# Altium PCB 朋氏集团—PCB尺.PcbDoc (part 1 of 2)
Units mm, origin at the board's own origin, x right, y up, seen from the top; angles counter-clockwise.
Board outline 210 x 30 mm, 2 copper layers (Top Layer, Bottom Layer); 50 components, 0 nets, 865 pads, 0 vias.
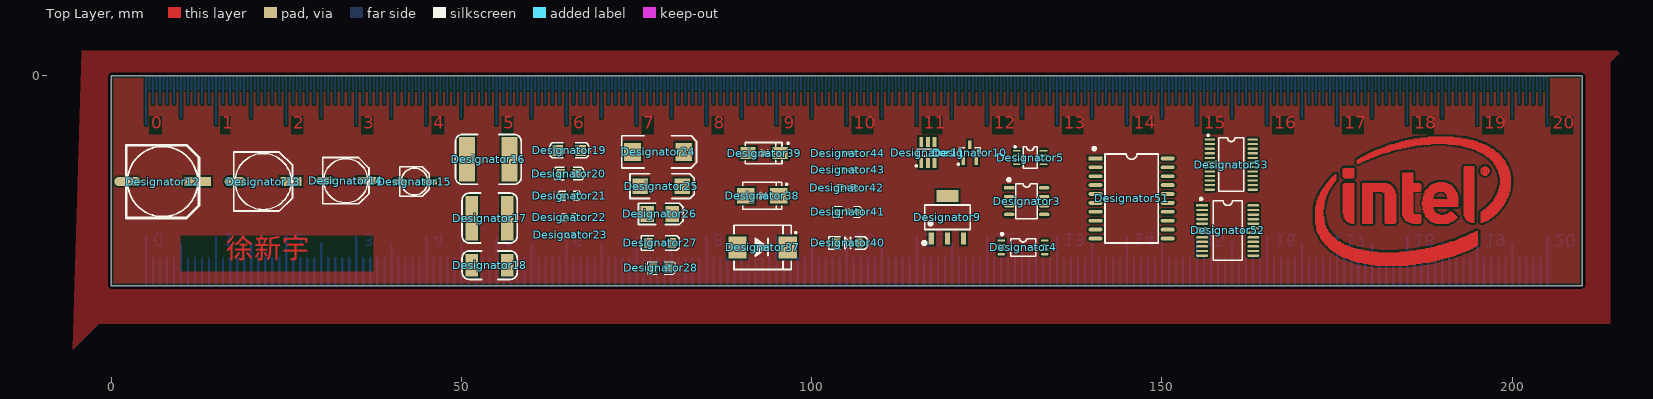
[diagram p0: Top Layer view]
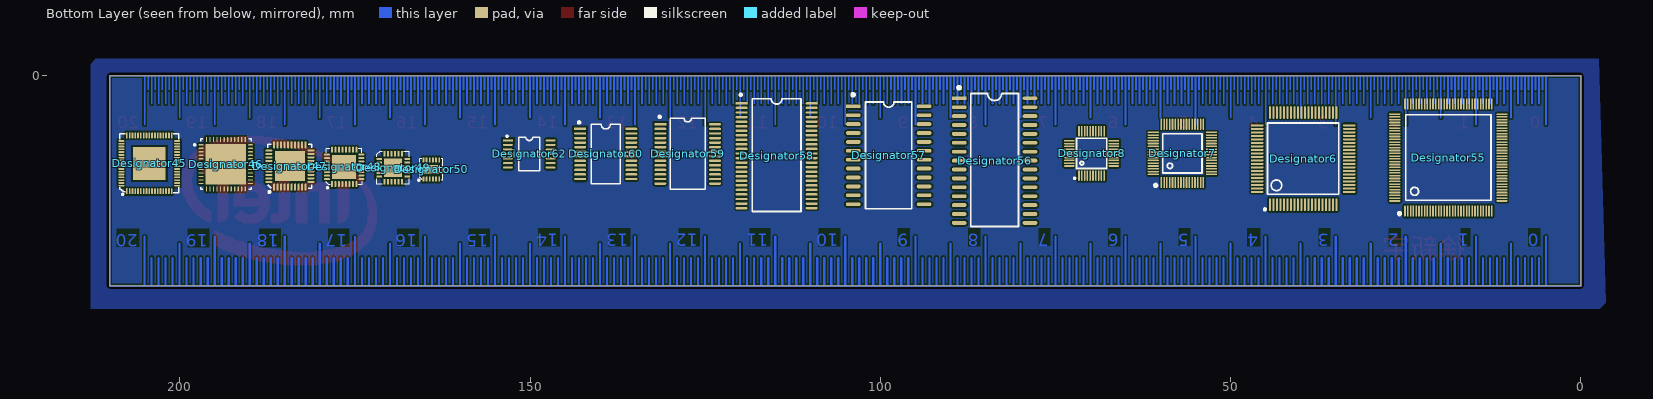
[diagram p1: Bottom Layer view, seen from below]

## Layer stack, top to bottom
Top Solder: solder mask 0.0102, Solder Resist, Dk 3.5
Top Layer: signal copper 0.0356
Dielectric 1: dielectric 0.32, FR-4, Dk 4.8
Bottom Layer: signal copper 0.0356
Bottom Solder: solder mask 0.0102, Solder Resist, Dk 3.5

## Board outline
0,-30 210,-30 210,0 0,0

## Design rules (kind name [scope] priority, off if disabled: settings)
Clearance [All] p1: gap=0.254 ignorepadtopadclearanceinfootprint=FALSE except(0: Arc-Hole Track-Hole SMDPad-Hole THPad-Hole Via-Hole Fill-Hole Poly-Hole Region-Hole Text-Hole)
PolygonConnect [All] p1: connectstyle=Relief reliefconductorwidth=0.254 reliefentries=4 polygonreliefangle="90 Angle" airgapwidth=0.254
RoutingVias [All] p1: holewidth=0.711 width=1.27 viastyle="Through Hole" minholewidth=0.711 minwidth=1.27 maxholewidth=0.711 maxwidth=1.27
SolderMaskExpansion [All] p1: expansion=0.102
Width [All] p1: maxlimit=0.254 minlimit=0.254 preferedwidth=0.254
30 further rules are at their usual default settings.

## Components (designator, comment, footprint, x,y, rotation, side; value= is the part's Value field where it differs from the comment)
Designator3 "Comment" SOP8_L 130.683,-17.907 r0 top
Designator4 "Comment" SSOP8_L 130.175,-24.511 r0 top
Designator5 "Comment" TSSOP8_L 131.191,-11.684 r0 top
Designator6 "Comment" "TQPF80 12x12_N" 46.177,-16.59 r180 bottom
Designator7 "Comment" "TQFP64 7x7_N" 56.896,-11.09 r180 bottom
Designator8 "Comment" "TQFP40 5x5_N" 69.85,-11.09 r180 bottom
Designator9 "Comment" SOT223_L 119.38,-20.193 r0 top
Designator10 "Comment" SOT23-3N 122.555,-10.978 r0 top
Designator11 "Comment" SOT23-6M 116.586,-10.978 r0 top
Designator12 "Comment" "CM F(10*10.2)" 7.366,-15.113 r0 top
Designator13 "Comment" "CM E(8*6.2)" 21.717,-15.113 r0 top
Designator14 "Comment" "CM D(6.3*7.7)" 33.516,-14.986 r0 top
Designator15 "Comment" "CM B(4*5.4)" 43.307,-15.113 r0 top
Designator16 "Comment" "C 2225" 53.848,-11.938 r0 top
Designator17 "Comment" "C 1825" 54.039,-20.32 r0 top
Designator18 "Comment" "C 1812" 54.039,-27.051 r0 top
Designator19 "Comment" "C 1206" 65.405,-10.668 r0 top
Designator20 "Comment" "C 0805" 65.328,-13.97 r0 top
Designator21 "Comment" "C 0603" 65.405,-17.145 r0 top
Designator22 "Comment" "C 0402" 65.405,-20.193 r0 top
Designator23 "Comment" "C 0201" 65.532,-22.733 r0 top
Designator24 "Comment" "CD D(7343)" 78.087,-10.875 r180 top
Designator25 "Comment" "CD C(6032)" 78.531,-15.767 r180 top
Designator26 "Comment" "CD B(3528)" 78.322,-19.723 r180 top
Designator27 "Comment" "CD A(3216)" 78.359,-23.876 r180 top
Designator28 "Comment" "CD S(2012)" 78.486,-27.432 r180 top
Designator37 "Comment" SMC 92.999,-24.511 r0 top
Designator38 "Comment" SMB 92.964,-17.145 r0 top
Designator39 "Comment" SMA 93.218,-11.049 r0 top
Designator40 "Comment" SOD-123 105.156,-23.876 r0 top
Designator41 "Comment" SOD-323 105.156,-19.431 r0 top
Designator42 "Comment" SOD-523 105.029,-16.002 r0 top
Designator43 "Comment" SOD-723 105.156,-13.462 r0 top
Designator44 "Comment" SOD-923 105.156,-11.049 r0 top
Designator45 "Comment" "QFN68 8x8_N" 204.343,-12.509 r180 bottom
Designator46 "Comment" QFN48_7*7N 193.421,-12.636 r180 bottom
Designator47 "Comment" "QFN40 6X6_N" 184.277,-12.906 r180 bottom
Designator48 "Comment" "QFN32 5x5_N" 176.53,-13.017 r180 bottom
Designator49 "Comment" QFN24 169.545,-13.156 r180 bottom
Designator50 "Comment" "QFN12 3x3_N" 164.084,-13.386 r180 bottom
Designator51 "Comment" SOP20_N 145.669,-17.526 r0 top
Designator52 "Comment" SSOP24_N 159.385,-22.098 r0 top
Designator53 "Comment" TSSOP24_N 159.893,-12.7 r0 top
Designator55 "Comment" "TQFP128 14x14_N" 18.923,-11.684 r180 bottom
Designator56 "Comment" SOP30-N 83.693,-12.121 r180 bottom
Designator57 "Comment" SOP24_N 98.806,-11.359 r180 bottom
Designator58 "Comment" SSOP48_N 114.808,-11.43 r180 bottom
Designator59 "Comment" SSOP28_N 127.499,-11.176 r180 bottom
Designator60 "Comment" SSOP24_N 139.192,-11.176 r180 bottom
Designator62 "Comment" TSSOP14_N 150.112,-11.176 r180 bottom

## Footprints (in the part's own frame and the unit in brackets; to place one, negate y for a bottom-side part, rotate by r counter-clockwise, add the part's x,y. Pads: shape width x height; smd on the part's side, far side on the other; paste and mask are expansions set on the pad)
"C 0201" [mm] "无极性贴片电容"
  rect 0.3x0.3 smd: 1(-0.3,0) 2(0.3,0)
  silkscreen extent -0.69,-0.35 0.69,0.35, body extent -0.3,-0.16 0.3,0.16, height 0.31
"C 0402" [mil] "无极性贴片电容"
  rect 25x20 smd: 1(-23,0.16) 2(23,0.16)
  silkscreen extent -48,-20 48,20, body extent -20,-10 20,10, height 20
"C 0603" [mil] "无极性贴片电容"
  rect 35x30 smd: 1(-35,0) 2(34,0)
  silkscreen extent -67,-26 67,26, body extent -31,-16 31,16, height 32
"C 0805" [mil] "无极性贴片电容"
  rect 50x50 smd: 1(-45,0) 2(45,0)
  silkscreen extent -89,-36 89,36, body extent -39,-24 39,24, height 20
"C 1206" [mil] "无极性贴片电容"
  rect 60x60 smd: 1(-65,0) 2(65,0)
  silkscreen extent -115,-42 115,42, body extent -63,-32 63,32, height 48
"C 1812" [mil] "无极性贴片电容"
  rect 70x125 smd: 1(-100,0) 2(100,0)
  silkscreen extent -155,-80 155,80, body extent -91,-63 91,63, height 79
"C 1825" [mil] "无极性贴片电容"
  rect 70x250 smd: 1(-100,0) 2(100,0)
  silkscreen extent -155,-140 155,140, body extent -89,-125 89,125, height 63
"C 2225" [mil] "无极性贴片电容"
  rect 90x250 smd: 1(-120,0) 2(120,0)
  silkscreen extent -185,-140 185,140, body extent -110,-125 110,125, height 63
"CD A(3216)" [mm] "长3.2mm，宽1.6mm，厚1.6mm"
  rect 1.2x1.4 smd: 1(-1.7,0) 2(1.7,0)
  silkscreen extent -2.74,-1.02 2.67,1.02, body extent -1.6,-0.8 1.6,0.8, height 1.6
"CD B(3528)" [mil] "长3.5mm，宽2.8mm，厚1.9mm"
  rect 75x90 smd: 1(-70.87,-0.01) 2(70.86,-0.01)
  silkscreen extent -130,-60 120,60, body extent -69,-55 69,55, height 75
"CD C(6032)" [mm] "长6.0mm，宽3.2mm，厚2.5mm"
  rect 2.2x2.2 smd: 1(-3,0) 2(3,0)
  silkscreen extent -4.7,-1.78 4.44,1.78, body extent -3,-1.6 3,1.6, height 2.5
"CD D(7343)" [mm] "长7.3mm，宽4.3mm，厚2.8mm"
  rect 2.4x2.6 smd: 1(-3.65,0) 2(3.65,0)
  silkscreen extent -5.46,-2.29 5.21,2.29, body extent -3.65,-2.15 3.65,2.15, height 2.8
"CD S(2012)" [mm] "长2.0mm，宽1.25mm，厚1.2mm"
  rect 1.1x1.3 smd: 1(-1.1,0) 2(1.1,0)
  silkscreen extent -2.03,-0.89 1.91,0.89, body extent -1,-0.6 1,0.6, height 1.2
"CM B(4*5.4)" [mm] "贴片电解电容，直径4mm，高5.4mm"
  rect 2.1x0.8 smd: 1(2.15,0)
  oval 2.1x0.8 smd: 2(-2.15,0)
  silkscreen extent -2.1,-2.1 2.1,2.1, body extent -2.3,-2.12 2.3,2.18, height 5.4
"CM D(6.3*7.7)" [mm] "贴片电解电容，直径6.3mm，高7.7mm"
  rect 2.7x1 smd: 1(3,0)
  oval 2.7x1 smd: 2(-3,0)
  silkscreen extent -3.3,-3.3 3.3,3.3, body extent -3.5,-3.3 3.5,3.3, height 7.7
"CM E(8*6.2)" [mm] "贴片电解电容，直径8mm，高6.2mm"
  rect 3x1.3 smd: 1(4,0)
  oval 3x1.3 smd: 2(-4,0)
  silkscreen extent -4.2,-4.2 4.2,4.2, body extent -4.5,-4.15 4.5,4.15, height 6.2
"CM F(10*10.2)" [mm] "贴片电解电容，直径10mm，高10.2mm"
  rect 3.8x1.3 smd: 1(5,0)
  oval 3.8x1.3 smd: 2(-5,0)
  silkscreen extent -5.2,-5.2 5.2,5.2, body extent -5.8,-5.15 5.8,5.15, height 10.2
"QFN12 3x3_N" [mm] "12脚，长：3mm，宽：3mm，高：0.6mm"
  rect 0.275x0.75 smd: 1(-1.125,-1.362)
  oval 0.275x0.75 smd: 2(-0.675,-1.362) 3(-0.225,-1.362) 4(0.225,-1.362) 5(0.675,-1.362) 6(1.125,-1.362) 7(1.125,1.362) 8(0.675,1.362) 9(0.225,1.362) 10(-0.225,1.362) 11(-0.675,1.362) 12(-1.125,1.362)
  rect 2.12x1.3 smd: 13(0,0)
  silkscreen extent -1.9,-1.65 1.65,1.52, body extent -1.5,-1.5 1.5,1.5, height 0.63
QFN24 [mm]
  rect 0.8x0.3 smd: 1(-2,1.25) 2(-2,0.75) 3(-2,0.25) 4(-2,-0.25) 5(-2,-0.75) 6(-2,-1.25) 13(2,-1.25) 14(2,-0.75) 15(2,-0.25) 16(2,0.25) 17(2,0.75) 18(2,1.25)
  rect 0.3x0.8 smd: 7(-1.25,-2) 8(-0.75,-2) 9(-0.25,-2) 10(0.25,-2) 11(0.75,-2) 12(1.25,-2) 19(1.25,2) 20(0.75,2) 21(0.25,2) 22(-0.25,2) 23(-0.75,2) 24(-1.25,2)
  rect 2.6x2.6 smd: 25(0.005,0)
  silkscreen extent -2.32,-2.32 2.32,2.32, body extent -2,-2 2.01,2, height 0.9
"QFN32 5x5_N" [mm] "32脚，长：5mm，宽：5mm，高：9.5mm"
  rect 0.275x0.85 smd: 1(-1.751,-2.451)
  oval 0.275x0.85 smd: 2(-1.25,-2.451) 3(-0.75,-2.451) 4(-0.25,-2.451) 5(0.25,-2.451) 6(0.75,-2.451) 7(1.25,-2.451) 8(1.75,-2.451) 17(1.75,2.451) 18(1.25,2.451) 19(0.75,2.451) 20(0.25,2.451) 21(-0.25,2.451) 22(-0.75,2.451) 23(-1.25,2.451) 24(-1.75,2.451)
  oval 0.85x0.275 smd: 9(2.451,-1.75) 10(2.451,-1.25) 11(2.451,-0.75) 12(2.451,-0.25) 13(2.451,0.25) 14(2.451,0.75) 15(2.451,1.25) 16(2.451,1.75) 25(-2.451,1.75) 26(-2.451,1.25) 27(-2.451,0.75) 28(-2.451,0.25) 29(-2.451,-0.25) 30(-2.451,-0.75) 31(-2.451,-1.25) 32(-2.451,-1.75)
  rect 3.4x3.4 smd: 33(0,0)
  silkscreen extent -2.55,-3.12 2.55,2.57, body extent -2.5,-2.5 2.5,2.5, height 0.93
"QFN40 6X6_N" [mm] "40脚，体宽：6x6mm，脚距：0.5mm"
  oval 0.3x1 smd mask+0.051: 1(-2.25,-3) 2(-1.75,-3) 3(-1.25,-3) 4(-0.75,-3) 5(-0.25,-3) 6(0.25,-3) 7(0.75,-3) 8(1.25,-3) 9(1.75,-3) 10(2.25,-3) 21(2.25,3.025) 22(1.75,3.025) 23(1.25,3.025) 24(0.75,3.025) 25(0.25,3.025) 26(-0.25,3.025) 27(-0.75,3.025) 28(-1.25,3.025) 29(-1.75,3.025) 30(-2.25,3.025)
  oval 1x0.3 smd mask+0.051: 11(3,-2.25) 12(3,-1.75) 13(3,-1.25) 14(3,-0.75) 15(3,-0.25) 16(3,0.25) 17(3,0.75) 18(3,1.25) 19(3,1.75) 20(3,2.25) 31(-3,2.25) 32(-3,1.75) 33(-3,1.25) 34(-3,0.75) 35(-3,0.25) 36(-3,-0.25) 37(-3,-0.75) 38(-3,-1.25) 39(-3,-1.75) 40(-3,-2.25)
  rect 4.3x4.3 smd mask+0.051: 41(0,0)
  silkscreen extent -3.15,-3.83 3.15,3.15, body extent -3.01,-3.01 3.01,3.01, height 0.95
QFN48_7*7N [mm] "QFN, 48-Leads, Body 7x7mm, Pitch 0.5mm, IPC Medium Density"
  oval 0.75x0.2 smd: 1(-3.525,2.75) 2(-3.525,2.25) 3(-3.525,1.75) 4(-3.525,1.25) 5(-3.525,0.75) 6(-3.525,0.25) 7(-3.525,-0.25) 8(-3.525,-0.75) 9(-3.525,-1.25) 10(-3.525,-1.75) 11(-3.525,-2.25) 12(-3.525,-2.75) 25(3.525,-2.75) 26(3.525,-2.25) 27(3.525,-1.75) 28(3.525,-1.25) 29(3.525,-0.75) 30(3.525,-0.25) 31(3.525,0.25) 32(3.525,0.75) 33(3.525,1.25) 34(3.525,1.75) 35(3.525,2.25) 36(3.525,2.75)
  oval 0.2x0.75 smd: 13(-2.75,-3.525) 14(-2.25,-3.525) 15(-1.75,-3.525) 16(-1.25,-3.525) 17(-0.75,-3.525) 18(-0.25,-3.525) 19(0.25,-3.525) 20(0.75,-3.525) 21(1.25,-3.525) 22(1.75,-3.525) 23(2.25,-3.525) 24(2.75,-3.525) 37(2.75,3.525) 38(2.25,3.525) 39(1.75,3.525) 40(1.25,3.525) 41(0.75,3.525) 42(0.25,3.525) 43(-0.25,3.525) 44(-0.75,3.525) 45(-1.25,3.525) 46(-1.75,3.525) 47(-2.25,3.525) 48(-2.75,3.525)
  rect 5.8x5.8 smd: 49(0,0)
  silkscreen extent -4.57,-3.6 3.6,3.6, body extent -3.51,-3.51 3.51,3.51, height 0.78
"QFN68 8x8_N" [mm] "68脚，长：8mm，宽：8mm，高：8.5mm"
  rect 0.25x0.85 smd: 1(-3.2,-3.981)
  oval 0.25x0.85 smd: 2(-2.8,-3.981) 3(-2.4,-3.981) 4(-2,-3.981) 5(-1.6,-3.981) 6(-1.2,-3.981) 7(-0.8,-3.981) 8(-0.4,-3.981) 9(0,-3.981) 10(0.4,-3.981) 11(0.8,-3.981) 12(1.2,-3.981) 13(1.6,-3.981) 14(2,-3.981) 15(2.4,-3.981) 16(2.8,-3.981) 17(3.2,-3.981) 35(3.2,3.981) 36(2.8,3.981) 37(2.4,3.981) 38(2,3.981) 39(1.6,3.981) 40(1.2,3.981) 41(0.8,3.981) 42(0.4,3.981) 43(0,3.981) 44(-0.4,3.981) 45(-0.8,3.981) 46(-1.2,3.981) 47(-1.6,3.981) 48(-2,3.981) 49(-2.4,3.981) 50(-2.8,3.981) 51(-3.2,3.981)
  oval 0.85x0.25 smd: 18(3.981,-3.2) 19(3.981,-2.8) 20(3.981,-2.4) 21(3.981,-2) 22(3.981,-1.6) 23(3.981,-1.2) 24(3.981,-0.8) 25(3.981,-0.4) 26(3.981,0) 27(3.981,0.4) 28(3.981,0.8) 29(3.981,1.2) 30(3.981,1.6) 31(3.981,2) 32(3.981,2.4) 33(3.981,2.8) 34(3.981,3.2) 52(-3.981,3.2) 53(-3.981,2.8) 54(-3.981,2.4) 55(-3.981,2) 56(-3.981,1.6) 57(-3.981,1.2) 58(-3.981,0.8) 59(-3.981,0.4) 60(-3.981,0) 61(-3.981,-0.4) 62(-3.981,-0.8) 63(-3.981,-1.2) 64(-3.981,-1.6) 65(-3.981,-2) 66(-3.981,-2.4) 67(-3.981,-2.8) 68(-3.981,-3.2)
  rect 4.7x4.7 smd: 69(0,0)
  silkscreen extent -4.19,-4.57 4.19,4.19, body extent -4,-4 4,4, height 0.88
SMA [mm] "4.5x2.6*2.2mm（长宽高，不包括引?"
  rect 2.2x1.75 smd: 1(-2.3,0) 2(2.3,0)
  silkscreen extent -2.7,-1.52 3.56,1.52, body extent -2.53,-1.3 2.58,1.3, height 2.15
SMB [mm] "4.7*3.9*2.2mm(长宽高，不包括引脚?"
  rect 2.5x2.2 smd: 1(-2.35,0) 2(2.35,0)
  silkscreen extent -2.8,-1.9 3.58,1.9, body extent -2.63,-1.8 2.67,1.8, height 2.35
SMC [mm] "7.1x5.9*2.3mm（长宽高，不包括引?"
  rect 2.6x3.15 smd: 1(-3.6,0) 2(3.6,0)
  silkscreen extent -4.1,-3.15 4.88,3.15, body extent -3.95,-2.9 3.95,2.9, height 2.45
SOD-123 [mil] "2.7x1.6X1.1mm（长宽高，不包括引?"
  rect 55x50 smd: 1(-67.5,0)
  oct 55x50 smd: 2(67.5,0)
  silkscreen extent -108,-35 112,35, body extent -73,-31 73,31, height 48
SOD-323 [mm] "1.8x1.3X0.9mm（长宽高，不包括引?"
  rect 1x0.8 smd: 1(-1.4,0)
  oct 1x0.8 smd: 2(1.4,0)
  silkscreen extent -2.11,-0.76 2.11,0.76, body extent -1.34,-0.63 1.31,0.67, height 1
SOD-523 [mm] "1.2x0.8X0.6mm（长宽高，不包括引?"
  rect 0.8x0.7 smd: 1(-0.85,0)
  oct 0.8x0.7 smd: 2(0.85,0)
  silkscreen extent -1.4,-0.51 1.45,0.51, body extent -0.8,-0.4 0.8,0.4, height 0.65
SOD-723 [mm] "1x0.6X0.5mm（长宽高，不包括引?"
  rect 0.6x0.5 smd: 1(-0.7,0)
  oct 0.6x0.5 smd: 2(0.7,0)
  silkscreen extent -1.17,-0.41 1.17,0.41, body extent -0.7,-0.3 0.7,0.3, height 0.53
SOD-923 [mm] "0.8x0.6X0.4mm（长宽高，不包括引?"
  rect 0.5x0.4 smd: 1(-0.6,0)
  oct 0.5x0.4 smd: 2(0.6,0)
  silkscreen extent -1.02,-0.36 1.02,0.36, body extent -0.5,-0.3 0.5,0.3, height 0.43
SOP8_L [mm] "5*6*1.8mm（长宽高）"
  rect 1.5x0.5 smd: 1(-2.5,1.905)
  oval 1.5x0.5 smd: 2(-2.5,0.635) 3(-2.5,-0.635) 4(-2.5,-1.905) 5(2.5,-1.905) 6(2.5,-0.635) 7(2.5,0.635) 8(2.5,1.905)
  silkscreen extent -2.69,-2.5 1.52,3.2, body extent -3,-2.5 3,2.5, height 1.9
SOP20_N [mm] "13*10.6*2.6（长宽高）"
  rect 2x0.55 smd: 1(-5.15,5.715)
  oval 2x0.55 smd: 2(-5.15,4.445) 3(-5.15,3.175) 4(-5.15,1.905) 5(-5.15,0.635) 6(-5.15,-0.635) 7(-5.15,-1.905) 8(-5.15,-3.175) 9(-5.15,-4.445) 10(-5.15,-5.715) 11(5.15,-5.715) 12(5.15,-4.445) 13(5.15,-3.175) 14(5.15,-1.905) 15(5.15,-0.635) 16(5.15,0.635) 17(5.15,1.905) 18(5.15,3.175) 19(5.15,4.445) 20(5.15,5.715)
  silkscreen extent -5.49,-6.35 3.81,7.27, body extent -5.15,-6.35 5.15,6.35, height 2.7
SOP24_N [mm] "15.4*10.6*2.6mm（长宽高）"
  rect 2.1x0.55 smd: 1(-5.05,6.985)
  oval 2.1x0.55 smd: 2(-5.05,5.715) 3(-5.05,4.445) 4(-5.05,3.175) 5(-5.05,1.905) 6(-5.05,0.635) 7(-5.05,-0.635) 8(-5.05,-1.905) 9(-5.05,-3.175) 10(-5.05,-4.445) 11(-5.05,-5.715) 12(-5.05,-6.985) 13(5.05,-6.985) 14(5.05,-5.715) 15(5.05,-4.445) 16(5.05,-3.175) 17(5.05,-1.905) 18(5.05,-0.635) 19(5.05,0.635) 20(5.05,1.905) 21(5.05,3.175) 22(5.05,4.445) 23(5.05,5.715) 24(5.05,6.985)
  silkscreen extent -5.23,-7.62 3.3,8.79, body extent -5.15,-7.7 5.15,7.7, height 2.7
SOP30-N [mm] "19*10.3*2.6mm（长宽高）"
  rect 2.1x0.55 smd: 1(-5.05,8.89)
  oval 2.1x0.55 smd: 2(-5.05,7.62) 3(-5.05,6.35) 4(-5.05,5.08) 5(-5.05,3.81) 6(-5.05,2.54) 7(-5.05,1.27) 8(-5.05,0) 9(-5.05,-1.27) 10(-5.05,-2.54) 11(-5.05,-3.81) 12(-5.05,-5.08) 13(-5.05,-6.35) 14(-5.05,-7.62) 15(-5.05,-8.89) 16(5.05,-8.89) 17(5.05,-7.62) 18(5.05,-6.35) 19(5.05,-5.08) 20(5.05,-3.81) 21(5.05,-2.54) 22(5.05,-1.27) 23(5.05,0) 24(5.05,1.27) 25(5.05,2.54) 26(5.05,3.81) 27(5.05,5.08) 28(5.05,6.35) 29(5.05,7.62) 30(5.05,8.89)
  silkscreen extent -5.23,-9.4 3.4,10.57, body extent -5.15,-9.5 5.15,9.5, height 2.7
SOT23-3N [mm] "3x1.3x1mm(长宽高)"
  rect 0.5x1.2 smd: 1(-0.95,-1.143) 2(0.95,-1.143) 3(0,1.143)
  silkscreen extent -1.72,-1.78 1.5,0.7, body extent -1.5,-1.2 1.5,1.2, height 1.05
SOT23-6M [mm] "3x1.6x1.1mm(长宽高)"
  rect 0.55x1.4 smd: 1(-0.95,-1.5) 2(0,-1.5) 3(0.95,-1.5) 4(0.95,1.5) 5(0,1.5) 6(-0.95,1.5)
  silkscreen extent -1.78,-2.03 1.55,0.51, body extent -1.5,-1.4 1.5,1.4, height 1.15
SOT223_L [mm] "6.4x7x1.6mm(长宽高)"
  rect 0.75x1.7 smd: 1(-2.3,-3.048) 2(0,-3.048) 3(2.3,-3.048)
  rect 3.1x1.7 smd: 2(0,3.048)
  silkscreen extent -3.5,-3.88 3.25,1.75, body extent -3.25,-3.51 3.25,3.51, height 1.65
SSOP8_L [mm] "3*6.4*1.2mm（长宽高）"
  rect 1.1x0.3 smd: 1(-3.1,0.975)
  oval 1.1x0.3 smd: 2(-3.1,0.325) 3(-3.1,-0.325) 4(-3.1,-0.975) 5(3.1,-0.975) 6(3.1,-0.325) 7(3.1,0.325) 8(3.1,0.975)
  silkscreen extent -3.13,-1.27 1.78,2.03, body extent -3.2,-1.75 3.2,1.75, height 1.25
SSOP24_N [mm] "8.3*7.8*1.6（长宽高）"
  rect 1.7x0.35 smd: 1(-3.65,3.575)
  oval 1.7x0.35 smd: 2(-3.65,2.925) 3(-3.65,2.275) 4(-3.65,1.625) 5(-3.65,0.975) 6(-3.65,0.325) 7(-3.65,-0.325) 8(-3.65,-0.975) 9(-3.65,-1.625) 10(-3.65,-2.275) 11(-3.65,-2.925) 12(-3.65,-3.575) 13(3.65,-3.575) 14(3.65,-2.925) 15(3.65,-2.275) 16(3.65,-1.625) 17(3.65,-0.975) 18(3.65,-0.325) 19(3.65,0.325) 20(3.65,0.975) 21(3.65,1.625) 22(3.65,2.275) 23(3.65,2.925) 24(3.65,3.575)
  silkscreen extent -3.93,-4.23 2.06,4.63, body extent -3.85,-4.15 3.85,4.15, height 1.65
SSOP28_N [mm] "10.2*7.8*1.9mm(长宽高）"
  rect 1.7x0.35 smd: 1(-3.9,4.225)
  oval 1.7x0.35 smd: 2(-3.9,3.575) 3(-3.9,2.925) 4(-3.9,2.275) 5(-3.9,1.625) 6(-3.9,0.975) 7(-3.9,0.325) 8(-3.9,-0.325) 9(-3.9,-0.975) 10(-3.9,-1.625) 11(-3.9,-2.275) 12(-3.9,-2.925) 13(-3.9,-3.575) 14(-3.9,-4.225) 15(3.9,-4.225) 16(3.9,-3.575) 17(3.9,-2.925) 18(3.9,-2.275) 19(3.9,-1.625) 20(3.9,-0.975) 21(3.9,-0.325) 22(3.9,0.325) 23(3.9,0.975) 24(3.9,1.625) 25(3.9,2.275) 26(3.9,2.925) 27(3.9,3.575) 28(3.9,4.225)
  silkscreen extent -4.13,-5 2.54,5.43, body extent -3.85,-5.1 3.85,5.1, height 1.65
SSOP48_N [mm] "16*10.3*2.4mm（长宽高）"
  rect 1.7x0.35 smd: 1(-5,7.475)
  oval 1.7x0.35 smd: 2(-5,6.825) 3(-5,6.175) 4(-5,5.525) 5(-5,4.875) 6(-5,4.225) 7(-5,3.575) 8(-5,2.925) 9(-5,2.275) 10(-5,1.625) 11(-5,0.975) 12(-5,0.325) 13(-5,-0.325) 14(-5,-0.975) 15(-5,-1.625) 16(-5,-2.275) 17(-5,-2.925) 18(-5,-3.575) 19(-5,-4.225) 20(-5,-4.875) 21(-5,-5.525) 22(-5,-6.175) 23(-5,-6.825) 24(-5,-7.475) 25(5,-7.475) 26(5,-6.825) 27(5,-6.175) 28(5,-5.525) 29(5,-4.875) 30(5,-4.225) 31(5,-3.575) 32(5,-2.925) 33(5,-2.275) 34(5,-1.625) 35(5,-0.975) 36(5,-0.325) 37(5,0.325) 38(5,0.975) 39(5,1.625) 40(5,2.275) 41(5,2.925) 42(5,3.575) 43(5,4.225) 44(5,4.875) 45(5,5.525) 46(5,6.175) 47(5,6.825) 48(5,7.475)
  silkscreen extent -5.23,-7.95 3.47,8.83, body extent -5,-8 5,8, height 2.45
"TQFP40 5x5_N" [mm] "40脚，体宽：5x5mm, 脚距：0.4mm"
  oval 0.23x1.5 smd: 1(-1.8,-3.171) 2(-1.4,-3.171) 3(-1,-3.171) 4(-0.6,-3.171) 5(-0.2,-3.171) 6(0.2,-3.171) 7(0.6,-3.171) 8(1,-3.171) 9(1.4,-3.171) 10(1.8,-3.171) 21(1.8,3.171) 22(1.4,3.171) 23(1,3.171) 24(0.6,3.171) 25(0.2,3.171) 26(-0.2,3.171) 27(-0.6,3.171) 28(-1,3.171) 29(-1.4,3.171) 30(-1.8,3.171)
  oval 1.5x0.23 smd: 11(3.171,-1.8) 12(3.171,-1.4) 13(3.171,-1) 14(3.171,-0.6) 15(3.171,-0.2) 16(3.171,0.2) 17(3.171,0.6) 18(3.171,1) 19(3.171,1.4) 20(3.171,1.8) 31(-3.171,1.8) 32(-3.171,1.4) 33(-3.171,1) 34(-3.171,0.6) 35(-3.171,0.2) 36(-3.171,-0.2) 37(-3.171,-0.6) 38(-3.171,-1) 39(-3.171,-1.4) 40(-3.171,-1.8)
  silkscreen extent -2.54,-3.68 2.16,2.16, body extent -3.5,-3.5 3.5,3.5, height 1.05
"TQFP64 7x7_N" [mm] "64脚，体宽：7x7mm, 脚距：0.4mm"
  oval 0.23x1.6 smd: 1(-3,-4.146) 2(-2.6,-4.146) 3(-2.2,-4.146) 4(-1.8,-4.146) 5(-1.4,-4.146) 6(-1,-4.146) 7(-0.6,-4.146) 8(-0.2,-4.146) 9(0.2,-4.146) 10(0.6,-4.146) 11(1,-4.146) 12(1.4,-4.146) 13(1.8,-4.146) 14(2.2,-4.146) 15(2.6,-4.146) 16(3,-4.146) 33(3,4.152) 34(2.6,4.152) 35(2.2,4.152) 36(1.8,4.152) 37(1.4,4.152) 38(1,4.152) 39(0.6,4.152) 40(0.2,4.152) 41(-0.2,4.152) 42(-0.6,4.152) 43(-1,4.152) 44(-1.4,4.152) 45(-1.8,4.152) 46(-2.2,4.152) 47(-2.6,4.152) 48(-3,4.152)
  oval 1.6x0.23 smd: 17(4.149,-2.997) 18(4.149,-2.597) 19(4.149,-2.197) 20(4.149,-1.797) 21(4.149,-1.397) 22(4.149,-0.997) 23(4.149,-0.597) 24(4.149,-0.197) 25(4.149,0.203) 26(4.149,0.603) 27(4.149,1.003) 28(4.149,1.403) 29(4.149,1.803) 30(4.149,2.203) 31(4.149,2.603) 32(4.149,3.003) 49(-4.149,3.003) 50(-4.149,2.603) 51(-4.149,2.203) 52(-4.149,1.803) 53(-4.149,1.403) 54(-4.149,1.003) 55(-4.149,0.603) 56(-4.149,0.203) 57(-4.149,-0.197) 58(-4.149,-0.597) 59(-4.149,-0.997) 60(-4.149,-1.397) 61(-4.149,-1.797) 62(-4.149,-2.197) 63(-4.149,-2.597) 64(-4.149,-2.997)
  silkscreen extent -3.94,-4.7 2.79,2.8, body extent -4.5,-4.5 4.5,4.5, height 1.05
"TQFP128 14x14_N" [mm] "128脚，体宽：14x14mm, 脚距：0.4mm"
  oval 0.23x1.6 smd: 1(-6.2,-7.648) 2(-5.8,-7.648) 3(-5.4,-7.648) 4(-5,-7.648) 5(-4.6,-7.648) 6(-4.2,-7.648) 7(-3.8,-7.648) 8(-3.4,-7.648) 9(-3,-7.648) 10(-2.6,-7.648) 11(-2.2,-7.648) 12(-1.8,-7.648) 13(-1.4,-7.648) 14(-1,-7.648) 15(-0.6,-7.648) 16(-0.2,-7.648) 17(0.2,-7.648) 18(0.6,-7.648) 19(1,-7.648) 20(1.4,-7.648) 21(1.8,-7.648) 22(2.2,-7.648) 23(2.6,-7.648) 24(3,-7.648) 25(3.4,-7.648) 26(3.8,-7.648) 27(4.2,-7.648) 28(4.6,-7.648) 29(5,-7.648) 30(5.4,-7.648) 31(5.8,-7.648) 32(6.2,-7.648) 65(6.2,7.653) 66(5.8,7.653) 67(5.4,7.653) 68(5,7.653) 69(4.6,7.653) 70(4.2,7.653) 71(3.8,7.653) 72(3.4,7.653) 73(3,7.653) 74(2.6,7.653) 75(2.2,7.653) 76(1.8,7.653) 77(1.4,7.653) 78(1,7.653) 79(0.6,7.653) 80(0.2,7.653) 81(-0.2,7.653) 82(-0.6,7.653) 83(-1,7.653) 84(-1.4,7.653) 85(-1.8,7.653) 86(-2.2,7.653) 87(-2.6,7.653) 88(-3,7.653) 89(-3.4,7.653) 90(-3.8,7.653) 91(-4.2,7.653) 92(-4.6,7.653) 93(-5,7.653) 94(-5.4,7.653) 95(-5.8,7.653) 96(-6.2,7.653)
  oval 1.6x0.23 smd: 33(7.651,-6.198) 34(7.651,-5.798) 35(7.651,-5.398) 36(7.651,-4.998) 37(7.651,-4.598) 38(7.651,-4.198) 39(7.651,-3.798) 40(7.651,-3.398) 41(7.651,-2.998) 42(7.651,-2.598) 43(7.651,-2.198) 44(7.651,-1.798) 45(7.651,-1.398) 46(7.651,-0.998) 47(7.651,-0.598) 48(7.651,-0.198) 49(7.651,0.202) 50(7.651,0.602) 51(7.651,1.002) 52(7.651,1.402) 53(7.651,1.802) 54(7.651,2.202) 55(7.651,2.602) 56(7.651,3.002) 57(7.651,3.402) 58(7.651,3.802) 59(7.651,4.202) 60(7.651,4.602) 61(7.651,5.002) 62(7.651,5.402) 63(7.651,5.802) 64(7.651,6.202) 97(-7.651,6.202) 98(-7.651,5.802) 99(-7.651,5.402) 100(-7.651,5.002) 101(-7.651,4.602) 102(-7.651,4.202) 103(-7.651,3.802) 104(-7.651,3.402) 105(-7.651,3.002) 106(-7.651,2.602) 107(-7.651,2.202) 108(-7.651,1.802) 109(-7.651,1.402) 110(-7.651,1.002) 111(-7.651,0.602) 112(-7.651,0.202) 113(-7.651,-0.198) 114(-7.651,-0.598) 115(-7.651,-0.998) 116(-7.651,-1.398) 117(-7.651,-1.798) 118(-7.651,-2.198) 119(-7.651,-2.598) 120(-7.651,-2.998) 121(-7.651,-3.398) 122(-7.651,-3.798) 123(-7.651,-4.198) 124(-7.651,-4.598) 125(-7.651,-4.998) 126(-7.651,-5.398) 127(-7.651,-5.798) 128(-7.651,-6.198)
  silkscreen extent -7.11,-8.13 6.1,6.1, body extent -8,-8 8,8, height 1.05
"TQPF80 12x12_N" [mm] "80脚，体宽：12x12mm, 脚距：0.5mm"
  oval 0.3x1.8 smd: 1(1.775,-1.826) 2(2.275,-1.826) 3(2.775,-1.826) 4(3.275,-1.826) 5(3.775,-1.826) 6(4.275,-1.826) 7(4.775,-1.826) 8(5.275,-1.826) 9(5.775,-1.826) 10(6.275,-1.826) 11(6.775,-1.826) 12(7.275,-1.826) 13(7.775,-1.826) 14(8.275,-1.826) 15(8.775,-1.826) 16(9.275,-1.826) 17(9.775,-1.826) 18(10.275,-1.826) 19(10.775,-1.826) 20(11.275,-1.826) 41(11.275,11.326) 42(10.775,11.326) 43(10.275,11.326) 44(9.775,11.326) 45(9.275,11.326) 46(8.775,11.326) 47(8.275,11.326) 48(7.775,11.326) 49(7.275,11.326) 50(6.775,11.326) 51(6.275,11.326) 52(5.775,11.326) 53(5.275,11.326) 54(4.775,11.326) 55(4.275,11.326) 56(3.775,11.326) 57(3.275,11.326) 58(2.775,11.326) 59(2.275,11.326) 60(1.775,11.326)
  oval 1.8x0.3 smd: 21(13.102,0) 22(13.102,0.5) 23(13.102,1) 24(13.102,1.5) 25(13.102,2) 26(13.102,2.5) 27(13.102,3) 28(13.102,3.5) 29(13.102,4) 30(13.102,4.5) 31(13.102,5) 32(13.102,5.5) 33(13.102,6) 34(13.102,6.5) 35(13.102,7) 36(13.102,7.5) 37(13.102,8) 38(13.102,8.5) 39(13.102,9) 40(13.102,9.5) 61(-0.051,9.5) 62(-0.051,9) 63(-0.051,8.5) 64(-0.051,8) 65(-0.051,7.5) 66(-0.051,7) 67(-0.051,6.5) 68(-0.051,6) 69(-0.051,5.5) 70(-0.051,5) 71(-0.051,4.5) 72(-0.051,4) 73(-0.051,3.5) 74(-0.051,3) 75(-0.051,2.5) 76(-0.051,2) 77(-0.051,1.5) 78(-0.051,1) 79(-0.051,0.5) 80(-0.051,0)
  silkscreen extent 0.94,-2.61 11.61,9.83, body extent -0.48,-2.25 13.53,11.75, height 1.05
TSSOP8_L [mm] "3*4.2*1mm（长宽高）"
  rect 1.1x0.25 smd: 1(-1.9,0.975)
  oval 1.1x0.25 smd: 2(-1.9,0.325) 3(-1.9,-0.325) 4(-1.9,-0.975) 5(1.9,-0.975) 6(1.9,-0.325) 7(1.9,0.325) 8(1.9,0.975)
  silkscreen extent -2.29,-1.52 1,1.65, body extent -2.05,-1.5 2.05,1.5, height 1.03
TSSOP14_N [mm] "5*6.4*1mm（长宽高）"
  rect 1.4x0.3 smd: 1(-3.05,1.95)
  oval 1.4x0.3 smd: 2(-3.05,1.3) 3(-3.05,0.65) 4(-3.05,0) 5(-3.05,-0.65) 6(-3.05,-1.3) 7(-3.05,-1.95) 8(3.05,-1.95) 9(3.05,-1.3) 10(3.05,-0.65) 11(3.05,0) 12(3.05,0.65) 13(3.05,1.3) 14(3.05,1.95)
  silkscreen extent -3.3,-2.41 1.52,2.67, body extent -3.2,-2.5 3.2,2.5, height 1.03
TSSOP24_N [mm] "7.8*6.4*1mm（长宽高）"
  oval 1.5x0.3 smd: 1(-3.05,3.575) 2(-3.05,2.925) 3(-3.05,2.275) 4(-3.05,1.625) 5(-3.05,0.975) 6(-3.05,0.325) 7(-3.05,-0.325) 8(-3.05,-0.975) 9(-3.05,-1.625) 10(-3.05,-2.275) 11(-3.05,-2.925) 12(-3.05,-3.575) 13(3.05,-3.575) 14(3.05,-2.925) 15(3.05,-2.275) 16(3.05,-1.625) 17(3.05,-0.975) 18(3.05,-0.325) 19(3.05,0.325) 20(3.05,0.975) 21(3.05,1.625) 22(3.05,2.275) 23(3.05,2.925) 24(3.05,3.575)
  silkscreen extent -3.43,-3.81 1.78,4.32, body extent -3.2,-3.9 3.2,3.9, height 1.03

## Nets (pads, with @x,y where several pads share a name; then routed paths per layer and width w, separated by ;. In a path a pad name is that pad's centre, name@x,y a point inside that pad or via, vN(x,y) a via of type N, cw(c..) or ccw(c..) an arc to the next point about the centre after c; other vN are vias at no path point)
pads on no net: Designator3.1 Designator3.2 Designator3.3 Designator3.4 Designator3.5 Designator3.6 Designator3.7 Designator3.8 Designator4.1 Designator4.2 Designator4.3 Designator4.4 Designator4.5 Designator4.6 Designator4.7 Designator4.8 Designator5.1 Designator5.2 Designator5.3 Designator5.4 Designator5.5 Designator5.6 Designator5.7 Designator5.8 Designator6.1 Designator6.2 Designator6.3 Designator6.4 Designator6.5 Designator6.6 Designator6.7 Designator6.8 Designator6.9 Designator6.10 Designator6.11 Designator6.12 Designator6.13 Designator6.14 Designator6.15 Designator6.16 Designator6.17 Designator6.18 Designator6.19 Designator6.20 Designator6.21 Designator6.22 Designator6.23 Designator6.24 Designator6.25 Designator6.26 Designator6.27 Designator6.28 Designator6.29 Designator6.30 Designator6.31 Designator6.32 Designator6.33 Designator6.34 Designator6.35 Designator6.36 Designator6.37 Designator6.38 Designator6.39 Designator6.40 Designator6.41 Designator6.42 Designator6.43 Designator6.44 Designator6.45 Designator6.46 Designator6.47 Designator6.48 Designator6.49 Designator6.50 Designator6.51 Designator6.52 Designator6.53 Designator6.54 Designator6.55 Designator6.56 Designator6.57 Designator6.58 Designator6.59 Designator6.60 Designator6.61 Designator6.62 Designator6.63 Designator6.64 Designator6.65 Designator6.66 Designator6.67 Designator6.68 Designator6.69 Designator6.70 Designator6.71 Designator6.72 Designator6.73 Designator6.74 Designator6.75 Designator6.76 Designator6.77 Designator6.78 Designator6.79 Designator6.80 Designator7.1 Designator7.2 Designator7.3 Designator7.4 Designator7.5 Designator7.6 Designator7.7 Designator7.8 Designator7.9 Designator7.10 Designator7.11 Designator7.12 Designator7.13 Designator7.14 Designator7.15 Designator7.16 Designator7.17 Designator7.18 Designator7.19 Designator7.20 Designator7.21 Designator7.22 Designator7.23 Designator7.24 Designator7.25 Designator7.26 Designator7.27 Designator7.28 Designator7.29 Designator7.30 Designator7.31 Designator7.32 Designator7.33 Designator7.34 Designator7.35 Designator7.36 Designator7.37 Designator7.38 Designator7.39 Designator7.40 Designator7.41 Designator7.42 Designator7.43 Designator7.44 Designator7.45 Designator7.46 Designator7.47 Designator7.48 Designator7.49 Designator7.50 Designator7.51 Designator7.52 Designator7.53 Designator7.54 Designator7.55 Designator7.56 Designator7.57 Designator7.58 Designator7.59 Designator7.60 Designator7.61 Designator7.62 Designator7.63 Designator7.64 Designator8.1 Designator8.2 Designator8.3 Designator8.4 Designator8.5 Designator8.6 Designator8.7 Designator8.8 Designator8.9 Designator8.10 Designator8.11 Designator8.12 Designator8.13 Designator8.14 Designator8.15 Designator8.16 Designator8.17 Designator8.18 Designator8.19 Designator8.20 Designator8.21 Designator8.22 Designator8.23 Designator8.24 Designator8.25 Designator8.26 Designator8.27 Designator8.28 Designator8.29 Designator8.30 Designator8.31 Designator8.32 Designator8.33 Designator8.34 Designator8.35 Designator8.36 Designator8.37 Designator8.38 Designator8.39 Designator8.40 Designator9.1 Designator9.2 Designator9.3 Designator10.1 Designator10.2 Designator10.3 Designator11.1 Designator11.2 Designator11.3 Designator11.4 Designator11.5 Designator11.6 Designator12.1 Designator12.2 Designator13.1 Designator13.2 Designator14.1 Designator14.2 Designator15.1 Designator15.2 Designator16.1 Designator16.2 Designator17.1 Designator17.2 Designator18.1 Designator18.2 Designator19.1 Designator19.2 Designator20.1 Designator20.2 Designator21.1 Designator21.2 Designator22.1 Designator22.2 Designator23.1 Designator23.2 Designator24.1 Designator24.2 Designator25.1 Designator25.2 Designator26.1 Designator26.2 Designator27.1 Designator27.2 Designator28.1 Designator28.2 Designator37.1 Designator37.2 Designator38.1 Designator38.2 Designator39.1 Designator39.2 Designator40.1 Designator40.2 Designator41.1 Designator41.2 Designator42.1 Designator42.2 Designator43.1 Designator43.2 Designator44.1 Designator44.2 Designator45.1 Designator45.2 Designator45.3 Designator45.4 Designator45.5 Designator45.6 Designator45.7 Designator45.8 Designator45.9 Designator45.10 Designator45.11 Designator45.12 Designator45.13 Designator45.14 Designator45.15 Designator45.16 Designator45.17 Designator45.18 Designator45.19 Designator45.20 Designator45.21 Designator45.22 Designator45.23 Designator45.24 Designator45.25 Designator45.26 Designator45.27 Designator45.28 Designator45.29 Designator45.30 Designator45.31 Designator45.32 Designator45.33 Designator45.34 Designator45.35 Designator45.36 Designator45.37 Designator45.38 Designator45.39 Designator45.40 Designator45.41 Designator45.42 Designator45.43 Designator45.44 Designator45.45 Designator45.46 Designator45.47 Designator45.48 Designator45.49 Designator45.50 Designator45.51 Designator45.52 Designator45.53 Designator45.54 Designator45.55 Designator45.56 Designator45.57 Designator45.58 Designator45.59 Designator45.60 Designator45.61 Designator45.62 Designator45.63 Designator45.64 Designator45.65 Designator45.66 Designator45.67 Designator45.68 Designator45.69 Designator46.1 Designator46.2 Designator46.3 Designator46.4 Designator46.5 Designator46.6 Designator46.7 Designator46.8 Designator46.9 Designator46.10 Designator46.11 Designator46.12 Designator46.13 Designator46.14 Designator46.15 Designator46.16 Designator46.17 Designator46.18 Designator46.19 Designator46.20 Designator46.21 Designator46.22 Designator46.23 Designator46.24 Designator46.25 Designator46.26 Designator46.27 Designator46.28 Designator46.29 Designator46.30 Designator46.31 Designator46.32 Designator46.33 Designator46.34 Designator46.35 Designator46.36 Designator46.37 Designator46.38 Designator46.39 Designator46.40 Designator46.41 Designator46.42 Designator46.43 Designator46.44 Designator46.45 Designator46.46 Designator46.47 Designator46.48 Designator46.49 Designator47.1 Designator47.2 Designator47.3 Designator47.4 Designator47.5 Designator47.6 Designator47.7 Designator47.8 Designator47.9 Designator47.10 Designator47.11 Designator47.12 Designator47.13 Designator47.14 Designator47.15 Designator47.16 Designator47.17 Designator47.18 Designator47.19 Designator47.20 Designator47.21 Designator47.22 Designator47.23 Designator47.24 Designator47.25 Designator47.26 Designator47.27 Designator47.28 Designator47.29 Designator47.30 Designator47.31 Designator47.32 Designator47.33 Designator47.34 Designator47.35 Designator47.36 Designator47.37 Designator47.38 Designator47.39 Designator47.40 Designator47.41 Designator48.1 Designator48.2 Designator48.3 Designator48.4 Designator48.5 Designator48.6 Designator48.7 Designator48.8 Designator48.9 Designator48.10 Designator48.11 Designator48.12 Designator48.13 Designator48.14 Designator48.15 Designator48.16 Designator48.17 Designator48.18 Designator48.19 Designator48.20 Designator48.21 Designator48.22 Designator48.23 Designator48.24 Designator48.25 Designator48.26 Designator48.27 Designator48.28 Designator48.29 Designator48.30 Designator48.31 Designator48.32 Designator48.33 Designator49.1 Designator49.2 Designator49.3 Designator49.4 Designator49.5 Designator49.6 Designator49.7 Designator49.8 Designator49.9 Designator49.10 Designator49.11 Designator49.12 Designator49.13 Designator49.14 Designator49.15 Designator49.16 Designator49.17 Designator49.18 Designator49.19 Designator49.20 Designator49.21 Designator49.22 Designator49.23 Designator49.24 Designator49.25 Designator50.1 Designator50.2 Designator50.3 Designator50.4 Designator50.5 Designator50.6 Designator50.7 Designator50.8 Designator50.9 Designator50.10 Designator50.11 Designator50.12 Designator50.13 Designator51.1 Designator51.2 Designator51.3 Designator51.4 Designator51.5 Designator51.6 Designator51.7 Designator51.8 Designator51.9 Designator51.10 Designator51.11 Designator51.12 Designator51.13 Designator51.14 Designator51.15 Designator51.16 Designator51.17 Designator51.18 Designator51.19 Designator51.20 Designator52.1 Designator52.2 Designator52.3 Designator52.4 Designator52.5 Designator52.6 Designator52.7 Designator52.8 Designator52.9 Designator52.10 Designator52.11 Designator52.12 Designator52.13 Designator52.14 Designator52.15 Designator52.16 Designator52.17 Designator52.18 Designator52.19 Designator52.20 Designator52.21 Designator52.22 Designator52.23 Designator52.24 Designator53.1 Designator53.2 Designator53.3 Designator53.4 Designator53.5 Designator53.6 Designator53.7 Designator53.8 Designator53.9 Designator53.10 Designator53.11 Designator53.12 Designator53.13 Designator53.14 Designator53.15 Designator53.16 Designator53.17 Designator53.18 Designator53.19 Designator53.20 Designator53.21 Designator53.22 Designator53.23 Designator53.24 Designator55.1 Designator55.2 Designator55.3 Designator55.4 Designator55.5 Designator55.6 Designator55.7 Designator55.8 Designator55.9 Designator55.10 Designator55.11 Designator55.12 Designator55.13 Designator55.14 Designator55.15 Designator55.16 Designator55.17 Designator55.18 Designator55.19 Designator55.20 Designator55.21 Designator55.22 Designator55.23 Designator55.24 Designator55.25 Designator55.26 Designator55.27 Designator55.28 Designator55.29 Designator55.30 Designator55.31 Designator55.32 Designator55.33 Designator55.34 Designator55.35 Designator55.36 Designator55.37 Designator55.38 Designator55.39 Designator55.40 Designator55.41 Designator55.42 Designator55.43 Designator55.44 Designator55.45 Designator55.46 Designator55.47 Designator55.48 Designator55.49 Designator55.50 Designator55.51 Designator55.52 Designator55.53 Designator55.54 Designator55.55 Designator55.56 Designator55.57 Designator55.58 Designator55.59 Designator55.60 Designator55.61 Designator55.62 Designator55.63 Designator55.64 Designator55.65 Designator55.66 Designator55.67 Designator55.68 Designator55.69 Designator55.70 Designator55.71 Designator55.72 Designator55.73 Designator55.74 Designator55.75 Designator55.76 Designator55.77 Designator55.78 Designator55.79 Designator55.80 Designator55.81 Designator55.82 Designator55.83 Designator55.84 Designator55.85 Designator55.86 Designator55.87 Designator55.88 Designator55.89 Designator55.90 Designator55.91 Designator55.92 Designator55.93 Designator55.94 Designator55.95 Designator55.96 Designator55.97 Designator55.98 Designator55.99 Designator55.100 Designator55.101 Designator55.102 Designator55.103 Designator55.104 Designator55.105 Designator55.106 Designator55.107 Designator55.108 Designator55.109 Designator55.110 Designator55.111 Designator55.112 Designator55.113 Designator55.114 Designator55.115 Designator55.116 Designator55.117 Designator55.118 Designator55.119 Designator55.120 Designator55.121 Designator55.122 Designator55.123 Designator55.124 Designator55.125 Designator55.126 Designator55.127 Designator55.128 Designator56.1 Designator56.2 Designator56.3 Designator56.4 Designator56.5 Designator56.6 Designator56.7 Designator56.8 Designator56.9 Designator56.10 Designator56.11 Designator56.12 Designator56.13 Designator56.14 Designator56.15 Designator56.16 Designator56.17 Designator56.18 Designator56.19 Designator56.20 Designator56.21 Designator56.22 Designator56.23 Designator56.24 Designator56.25 Designator56.26 Designator56.27 Designator56.28 Designator56.29 Designator56.30 Designator57.1 Designator57.2 Designator57.3 Designator57.4 Designator57.5 Designator57.6 Designator57.7 Designator57.8 Designator57.9 Designator57.10 Designator57.11 Designator57.12 Designator57.13 Designator57.14 Designator57.15 Designator57.16 Designator57.17 Designator57.18 Designator57.19 Designator57.20 Designator57.21 Designator57.22 Designator57.23 Designator57.24 Designator58.1 Designator58.2 Designator58.3 Designator58.4 Designator58.5 Designator58.6 Designator58.7 Designator58.8 Designator58.9 Designator58.10 Designator58.11 Designator58.12 Designator58.13 Designator58.14 Designator58.15 Designator58.16 Designator58.17 Designator58.18 Designator58.19 Designator58.20 Designator58.21 Designator58.22 Designator58.23 Designator58.24 Designator58.25 Designator58.26 Designator58.27 Designator58.28 Designator58.29 Designator58.30 Designator58.31 Designator58.32 Designator58.33 Designator58.34 Designator58.35 Designator58.36 Designator58.37 Designator58.38 Designator58.39 Designator58.40 Designator58.41 Designator58.42 Designator58.43 Designator58.44 Designator58.45 Designator58.46 Designator58.47 Designator58.48 Designator59.1 Designator59.2 Designator59.3 Designator59.4 Designator59.5 Designator59.6 Designator59.7 Designator59.8 Designator59.9 Designator59.10 Designator59.11 Designator59.12 Designator59.13 Designator59.14 Designator59.15 Designator59.16 Designator59.17 Designator59.18 Designator59.19 Designator59.20 Designator59.21 Designator59.22 Designator59.23 Designator59.24 Designator59.25 Designator59.26 Designator59.27 Designator59.28 Designator60.1 Designator60.2 Designator60.3 Designator60.4 Designator60.5 Designator60.6 Designator60.7 Designator60.8 Designator60.9 Designator60.10 Designator60.11 Designator60.12 Designator60.13 Designator60.14 Designator60.15 Designator60.16 Designator60.17 Designator60.18 Designator60.19 Designator60.20 Designator60.21 Designator60.22 Designator60.23 Designator60.24 Designator62.1 Designator62.2 Designator62.3 Designator62.4 Designator62.5 Designator62.6 Designator62.7 Designator62.8 Designator62.9 Designator62.10 Designator62.11 Designator62.12 Designator62.13 Designator62.14